# Allegro board BRD-05058-01_B04.brd (continued)
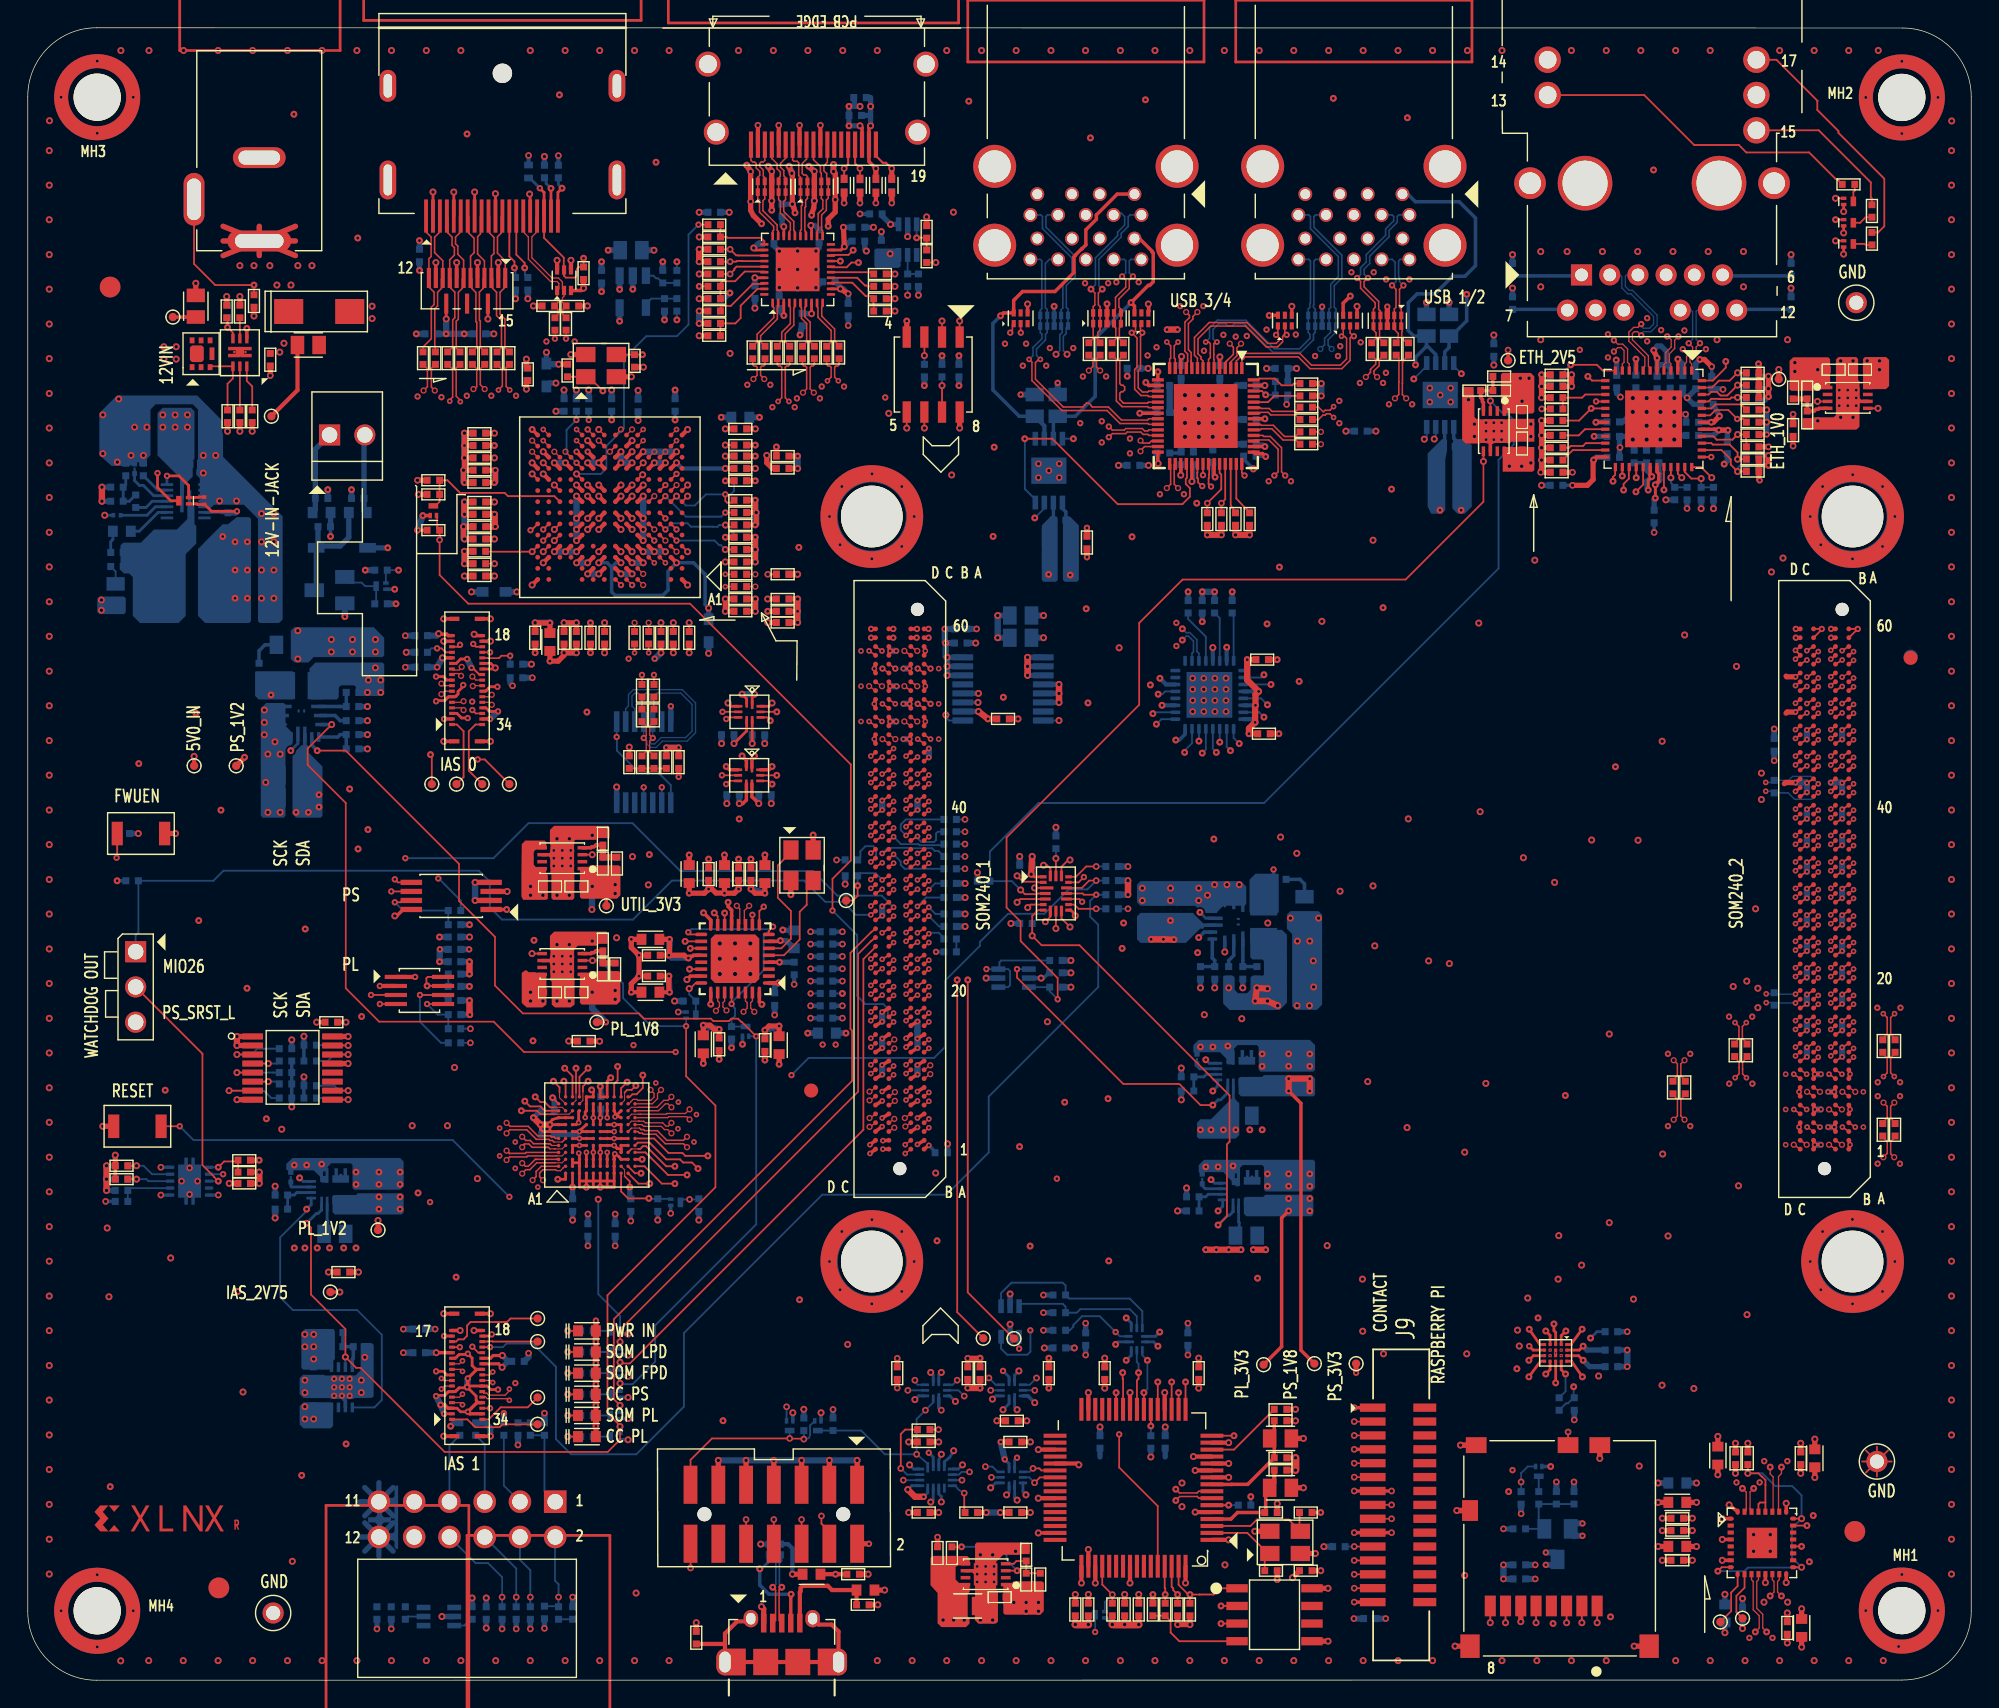
[diagram p0: board, top side]
## Nets (continued)
ISP_I2C_SDA: R62.2 U18.4 U34.D12
ISP_RESET_B: R207.2 U19.15 U34.L1
JTAG_TCK_C2M: J3.6 JA1.A25 R66.2 R264.1
JTAG_TDI_C2M: J3.10 JA1.A24 U22.14
JTAG_TDO_M2C: J3.8 JA1.A23 U25.4
JTAG_TMS_C2M: J3.4 JA1.A22 U25.5
JTAG_VCCO_ON: R241.1 U22.8 U24.21
LS_OE_B: Q12.3 R233.2 U22.1 U25.2
MIO26: J1.1 JA1.D28 R45.2
MIO27: JA1.D29 U28.8
MIO28: JA1.D30 U30.9
MIO29: JA1.C30 U30.8
MIO30: JA1.C31 U28.9
MIO31: JA1.C32 R263.1 TP37.1(TP)
MIO32_NC: JA1.A31
MIO33_NC: JA1.A32
MIO34_NC: JA1.B38
MIO35: JA1.B28 U13.7
MIO36: JA1.B29 U64.4
MIO37: JA1.B30 U64.5
MIO38: JA1.B32 U19.6
MIO39: JA1.B33 U38.E3
MIO40_NC: JA1.B34
MIO41_NC: JA1.A34
MIO42_NC: JA1.A35
MIO43: JA1.A36 U19.2
MIO44: JA1.D32 U19.5
MIO45: J11.13 JA1.D33 R130.2 U38.B2
MIO46: JA1.D34 R250.1
MIO46_SDIO_DAT0: R250.2 U38.D1
MIO47: JA1.C34 R251.1
MIO47_SDIO_DAT1: R251.2 U38.E1
MIO48: JA1.C35 R252.1
MIO48_SDIO_DAT2: R252.2 U38.A1
MIO49: JA1.C36 R253.1
MIO49_SDIO_DAT3: R253.2 U38.B1
MIO50: JA1.B36 R249.1
MIO50_SDIO_CMD: R249.2 U38.C1
MIO51: JA1.B37 R248.1
MIO51_SDIO_CLK: R248.2 U38.D2
MIO52: JA1.D36 U37.1
MIO53: JA1.D37 U37.31
MIO54: JA1.D38 U37.5
MIO55: JA1.C38 U37.2
MIO56: JA1.C39 U37.3
MIO57: JA1.C40 U37.4
MIO58: JA1.B40 U37.29
MIO59: JA1.B41 U37.6
MIO60: JA1.B42 U37.7
MIO61: JA1.A38 U37.9
MIO62: JA1.A39 U37.10
MIO63: JA1.A40 U37.13
MIO64: JA1.D40 U36.29
MIO65: JA1.D41 U36.28
MIO66: JA1.D42 U36.27
MIO67: JA1.C42 U36.26
MIO68: JA1.C43 U36.25
MIO69: JA1.C44 U36.37
MIO70: JA1.B44 U36.32
MIO71: JA1.B45 R111.2 R123.1 U36.33
MIO72: JA1.B46 U36.34
MIO73: JA1.A42 R110.2 R122.1 U36.35
MIO74: JA1.A43 U36.36
MIO75: JA1.A44 R109.2 R121.1 U36.38
MIO76: JA1.D44 U36.16
MIO77: JA1.D45 R103.2 U36.17
MODE0_C2M: JA1.A27 R165.1
MODE1_C2M: JA1.A28 R164.1 R288.2
MODE2_C2M: JA1.A29 R163.1
MODE3_C2M: JA1.A30 R162.1
MP5016_DVDT: C206.1 U41.10
MP5016_EN: R133.2 U41.9
MP5016_GATE: C234.1 Q5.3 U41.8
MP5016_ILIMIT: R135.1 U41.4
MP5016_MODE: C235.1 R134.1 U41.5
PC4_CON_PGND: J3.13 Q12.1 Q13.3 R234.2
PL_1V2: C24.1 C25.1 C125.1 C126.1 C127.1 C128.1 C129.1 C130.1 C131.1 C132.1 C133.1 C140.1 J7.23 J7.24 J8.23 J8.24 JA1.D1 JA1.D2 JA2.A44 JA2.B42 JA2.C44 JA2.D42 R21.1 TP19.1(TP) U5.5-6 U5.12 U34.A7 U34.A8 U34.A9 U34.B7 U34.B8 U34.B9 U34.C2 U34.C3 U34.C9 U34.D1 U34.D2 U34.D3(SMIPI_VDD_D3) U34.E1 U34.E10 U34.E11 U34.E12 U34.F1 U34.F12 U34.G1 U34.G12 U34.H1 U34.H12 U34.J1 U34.J2 U34.J3 U34.J10 U34.J11 U34.K3 U34.K9 U34.K10 U34.L3
PL_1V2_FB: R21.2 R26.1 U5.10
PL_1V8: C21.1 C22.1 C62.1 C63.1 C74.1 C134.1 C136.1 C137.1 C141.1 C189.1 C190.1 C191.1 C192.1 C193.1 C194.1 C195.1 C196.1 J7.13 J8.13 Q1.1 R24.1 R57.1 R58.1 R62.1 R63.1 R91.1 R207.1 R208.1 R257.1 R258.1 TP24.1(TP) U9.1 U17.20 U18.13 U18.16(VCC) U34.C1 U34.C8 U34.D10 U34.K2 U34.K11 U34.M3 U40.13 U40.16 U40.25 U40.32
PL_1V8_FB: C21.2 R23.1 R24.2 U9.4
PL_3V3: C18.1 C19.1 C143.1 C237.1 J9.15 JA1.B13 JA1.B14 JA2.B59 JA2.B60 JA2.D59 JA2.D60 R18.1 R59.1 R60.1 R61.1 R64.1 R65.1 R90.1 R167.1 R259.1 TP21.1(TP) U4.5-6 U4.12 U42.1
PL_3V3_FB: R18.2 R20.1 U4.10
PMOD_3V3: C238.1 C376.1 J2.11 J2.12 R166.1 U42.6(OUT)
PMOD_HDA11: C372.1 J2.1 R274.2 R276.2
PMOD_HDA12: C374.1 J2.3 R278.2
PMOD_HDA13: C377.1 J2.5 R280.2
PMOD_HDA14: C379.1 J2.7 R282.2
PMOD_HDA15: C373.1 J2.2 R275.2 R277.2
PMOD_HDA16_CC: C375.1 J2.4 R279.2
PMOD_HDA17: C378.1 J2.6 R281.2
PMOD_HDA18: C380.1 J2.8 R283.2
PMOD_PWR_EN: R167.2 U42.3
PMOD_PWR_FLT_B: R166.2 U42.5
PS_1V2: C9.1 C45.1 C48.1 C215.1 C216.1 C240.1 C283.1 C284.1 C285.1 C286.1 C289.1 C290.1 C291.1 C292.1 C295.1 C296.1 C330.1 C331.1 C332.1 C333.1 C334.1 C335.1 C336.1 L10.2 L12.2 R13.1 TP9.1(TP) U2.7-9 U27.E5 U27.E10 U27.F5 U27.F10 U27.G5 U27.G10 U27.H5 U27.H10 U43.5 U43.12 U43.15 U43.21 U43.28 U43.33 U43.43 U43.49
PS_1V2_FB: R13.2 R43.1 U2.10
PS_1V2_MODE: R12.2 R42.1 U2.13
PS_1V2_RAMP: C9.2 U2.11
PS_1V2_SW: C320.1 U2.4-6 U2.16
PS_1V8: C7.1 C8.1 C50.1 C69.1 C70.1 C81.1 C91.1 C92.1 C108.1 C114.1 C144.1 C145.1 C146.1 C147.1 C156.1 C157.1 C158.1 C159.1 C175.1 C275.1 C276.1 C277.1 C329.1 J3.2 Q22.1 R14.1 R45.1 R46.1 R47.1 R48.1 R49.1 R102.1 R103.1 R104.1 R105.1 R106.1 R107.1 R108.1 R109.1 R110.1 R111.1 R113.1 R114.1 R115.1 R125.1 R130.1 R210.1 R269.1 TP15.1(TP) U3.5-6 U3.12 U13.1 U13.10 U16.2 U17.23 U22.2(VCCB) U22.12 U22.13 U25.6(VCCB) U28.7 U28.10 U30.7 U30.10 U36.19 U36.30 U36.41 U37.8 U37.11 U37.14 U37.28 U37.30 U37.32 U38.A2 U64.6(VCCB)
PS_1V8_FB: R14.2 R16.1 U3.10
PS_3V3: C1.1 C2.1 C5.1 C15.1 C17.1 C53.1 C54.1 C55.1 C56.1 C57.1 C58.1 C59.1 C60.1 C61.1 C64.1 C109.1 C110.1 C115.1 C116.1 C176.1 C217.1 C218.1 C219.1 C220.1 C221.1 C222.1 C223.1 C225.1 C249.1 C250.1 C265.1 C269.1 C270.1 C271.1 C297.1 C298.1 C299.1 C300.1 C303.1 C304.1 C326.1 C340.1 C341.1 C343.1 C357.1 C358.1 C359.1 C360.1 C367.1 J10.14 J10.16 L11.2 Q14.2(SOURCE) R1.1 R54.1 R55.1 R56.1 R87.1 R88.1 R137.1 R138.1 R141.1 R145.1 R146.1 R168.1 R169.2 R170.1 R175.1 R177.1 R178.1 R179.1 R180.1 R181.1 R184.1 R195.1 R196.1 R205.1 R216.1 R217.1 R218.1 R236.1 R244.1 R256.2 R270.2 R273.1 TP11.1(TP) U1.7-9 U10.8 U12.8 U15.1 U15.8 U17.13 U17.16 U17.25 U17.32 U27.J5 U27.J10 U27.L14 U28.6(VCCB) U29.14(VCC) U30.6(VCCB) U31.8 U32.3 U32.8 U32.12 U32.19 U32.23 U32.28 U32.32 U32.37 U33.5 U38.A3(VSD) U43.16 U43.31 U43.37 U43.44 U43.55 U61.13 U61.15(VCC#15) U62.6(VCC) U65.6(VCCB)
PS_3V3_FB: R1.2 R2.1 U1.10
PS_3V3_MODE: R4.2 R5.1 U1.13
PS_3V3_PGOOD: R243.2 U1.14 U70.1 U70.3
PS_3V3_RAMP: C5.2 U1.11
PS_3V3_SW: C321.1 U1.4-6 U1.16
PS_ERROR_OUT_M2C: JA1.B24 TP38.1(TP)
PS_ERROR_STATUS_M2C: JA1.B25 TP39.1(TP)
PS_POR_B: JA1.C15 Q22.2(SOURCE) R269.2 U19.18 U23.6
PS_SRST_C2M_B: J1.3(P3) J3.14 JA1.C16 U23.4(Y2)
PWRGD_FPD_M2C: JA1.D24 Q7.1
PWRGD_LPD_M2C: JA1.D25 Q17.1
PWRGD_PL_M2C: JA1.D26 Q9.1
PWROFF_C2M_B: C207.1 J12.3(PLUG DET) JA1.B26 Q6.1 Q21.3 U7.3(PG)
RPI_ENABLE: J9.11 R259.2 U19.13
RPI_I2C_SCK: J9.13 R64.2 U18.10
RPI_I2C_SDA: J9.14 R59.2 U18.9
SD_RESET_B: Q15.1 R273.2 U19.20
SDIO1_CLK: J11.5 U38.D3
SDIO1_CMD: J11.3 U38.C4
SDIO1_DATA0: J11.7 U38.D4
SDIO1_DATA1: J11.8 U38.E4
SDIO1_DATA2: J11.1 U38.A4
SDIO1_DATA3: J11.2 R247.2 U38.B4
SDIO_CLK_FB_NC: U38.E2
SDIO_VCCB: C178.1 R247.1 U38.B3
SDIO_VDD: C177.1 C368.2 C369.1 J11.4 Q14.3
SI5332_SCLK_NC: U17.9
SI5332_SDA_NC: U17.10
SI5332_VCCO2_NC: U40.20
SI5332_VCCO3_NC: U40.23
SI5332_XA: U17.5 X3.3(X3)
SI5332_XB: U17.6(XB) X3.1
SOM240_1_C45_NC: JA1.C45
SOM240_1_D46_NC: JA1.D46
SOM_5V0: C323.1 C324.1 C353.1 C354.1 JA1.A59 JA1.A60 JA1.B60 JA1.C59 JA1.C60 JA1.D60 U14.14 U14.15 U14.16
SOM_DP_AUX_IN_LS: U28.4 U29.4
SOM_DP_AUX_OUT_LS: U28.5 U29.2
SOM_DP_HPD_LS: R174.1 U27.F4 U30.4
SOM_DP_OE_LS: U29.1 U29.8 U30.5
STDP4320_AVDD12_OSC: C256.1 C257.1 C258.1 L12.1 U27.L13 U27.M6
STDP4320_DVDD25_SM: C259.1 C260.1 U27.K5
STDP4320_GPIO5_HDMI_OE_B: R185.1 U27.K10
STDP4320_GPIO6_HDMI_DDC_EN: R186.1 U27.E13
STDP4320_GPIO7_HDMI_PWR_ON: R182.1 U27.F14
STDP4320_GPIO8_HDMI_PWR_FLT_B: R183.1 U27.E12
STDP4320_GPIO10_DP_PWR_EN: R197.1 U27.F12
STDP4320_GPIO11_DP_PWR_FAULT_B: R198.1 U27.F13
STDP4320_GPIO12_DP_TX1_CONFIG1: J6.13 R203.1 U27.H1
STDP4320_GPIO13_DP_TX1_CONFIG2: J6.14 R202.1 U27.G3
STDP4320_HOST_IRQ_OUT: R146.2 R154.1 U27.H2
STDP4320_RX0_LN0_N: C212.2 U27.B5
STDP4320_RX0_LN0_P: C211.2 U27.A5
STDP4320_RX0_LN1_N: C214.2 U27.C3
STDP4320_RX0_LN1_P: C213.2 U27.C4
STDP4320_SPDIF_OUT0: R151.1 U27.E2
STDP4320_SPDIF_OUT1: R145.2 R153.1 U27.F3
STDP4320_SPI_CLK: R141.2 U27.H3 U31.6
STDP4320_SPI_CS_B: U27.J3 U31.1
STDP4320_SPI_DI: U27.J1 U31.2
STDP4320_SPI_DO: U27.K2 U31.5
STDP4320_TCLK: C216.2 U27.N7 X4.3(X3)
STDP4320_UART_RX: U27.J2 U65.5
STDP4320_UART_TX: U27.H4 U65.4
STDP4320_XTAL: C215.2 U27.N8 X4.1
USB3320_D_N: U37.19 U43.46
USB3320_D_P: U37.18 U43.45
USB_ATEST: R222.1 U43.52
USB_CFG_BC_EN: R219.1 U43.40
USB_CFG_NON_REM: R220.1 U43.41
USB_D1_N: U43.2 U44.11 X6.1
USB_D1_P: U43.1 U44.12 X6.2
USB_D2_N: U43.9 U44.2 X5.1
USB_D2_P: U43.8 U44.3 X5.2
USB_D3_N: U43.18 U46.11 X8.1
USB_D3_P: U43.17 U46.12 X8.2
USB_D4_N: U43.25 U46.2 X7.2
USB_D4_P: U43.24 U46.3 X7.1
USB_HUB_CLK_IN: R270.1 R271.1 U17.14 U43.54
USB_HUB_RESET_B: R218.2 U19.17 U43.42
USB_HUB_SMCLK: R217.2 R287.2 U43.38
USB_HUB_SMDAT: R216.2 R286.2 U43.39
USB_JTAG_DM_N: J4.2 U24.7 X1.2
USB_JTAG_DM_P: J4.3 U24.8 X1.1
USB_JTAG_FLTR: C78.1 C87.1 C89.1 L4.1 R40.1 U11.5 U11.8
USB_JTAG_VBUS: C88.1 J4.1(VBUS) L4.2 X1.6(VBUS)
USB_JTAG_VCORE: C95.1 C96.1 C97.1 C98.1 U24.12 U24.37 U24.49(VREGOUT) U24.64
USB_JTAG_VPHY: C82.1 C83.1 L2.2 U24.4
USB_JTAG_VPLL: C84.1 C85.1 L3.2 U24.9
USB_PHY_MODE1: R288.1 U19.12
USB_PHY_REFCLK: U17.22 U37.26
USB_PHY_RESET_B: R210.2 U19.19 U37.27
USB_PRT_CTL1: U43.36 U45.3 U45.8
USB_PRT_CTL2: U43.35 U45.4 U45.5
USB_PRT_CTL3: U43.34 U47.3 U47.8
USB_PRT_CTL4: U43.32 U47.4 U47.5
USB_PWRD_VCCIO: C44.1 C79.1 C80.1 C86.1 C90.1 C93.1 C94.1 C99.1 C100.1 C101.1 C102.1 C105.1 C325.1 C355.1 C356.1 L2.1 L3.1 R36.1 R74.1 R75.1 R76.1 R77.1 R233.1 R234.1 R235.1 R266.1 R267.1 R268.1 U11.1 U22.3 U22.4 U23.5 U24.20 U24.31 U24.42 U24.50 U24.56 U25.7 U25.10 U26.8 U64.7 U64.10 U65.7 U65.10 U71.1 U71.6(VCCB) U71.7 U71.10
USB_RBIAS: R221.1 U43.56
USB_SSRX1_N: U43.7 U44.14 U66.1 U66.10(NC4)
USB_SSRX1_P: U43.6 U44.15 U66.2 U66.9
USB_SSRX2_N: U43.14 U44.5 U66.4 U66.7
USB_SSRX2_P: U43.13 U44.6 U66.5 U66.6
USB_SSRX3_N: U43.23 U46.14 U69.1 U69.10(NC4)
USB_SSRX3_P: U43.22 U46.15 U69.2 U69.9
USB_SSRX4_N: U43.30 U46.5 U69.4 U69.7
USB_SSRX4_P: U43.29 U46.6 U69.5 U69.6
USB_SSTX1_C_N: C280.1 U44.17 U67.2 U67.9
USB_SSTX1_C_P: C282.1 U44.18 U67.1 U67.10(NC4)
USB_SSTX1_N: C280.2 U43.4
USB_SSTX1_P: C282.2 U43.3
USB_SSTX2_C_N: C279.2 U44.8 U67.5 U67.6
USB_SSTX2_C_P: C281.2 U44.9 U67.4 U67.7
USB_SSTX2_N: C279.1 U43.11
USB_SSTX2_P: C281.1 U43.10
USB_SSTX3_C_N: C302.1 U46.17 U68.4 U68.7
USB_SSTX3_C_P: C306.1 U46.18 U68.5 U68.6
USB_SSTX3_N: C302.2 U43.20
USB_SSTX3_P: C306.2 U43.19
USB_SSTX4_C_N: C301.2 U46.8 U68.1 U68.10(NC4)
USB_SSTX4_C_P: C305.2 U46.9 U68.2 U68.9
USB_SSTX4_N: C301.1 U43.27
USB_SSTX4_P: C305.1 U43.26
USB_VBUS1: C274.1 U44.10(U_VBUS) U45.7 X6.6(VBUS)
USB_VBUS2: C272.1 U44.1 U45.6(OUT2) X5.6(VBUS)
USB_VBUS3: C294.1 U46.10(U_VBUS) U47.7 X8.6(VBUS)
USB_VBUS4: C293.1 U46.1 U47.6(OUT2) X7.6(VBUS)
UTIL_3V3: C41.1 C42.1 C49.1 C65.1 C66.1 C67.1 C68.1 C71.1 C72.1 C197.1 C198.1 C199.1 C200.1 C201.1 C202.1 DS1.2 DS2.2 DS3.2 DS4.2 DS5.2 DS6.2 R39.1 R232.1 R237.1 R260.1 TP7.1(TP) U7.1 U14.10(VS) U17.1 U17.4 U17.7 U40.1 U40.4 U40.7
WATCHDOG_CRST: C52.1 R49.2 U13.4
WATCHDOG_CWD: C51.1 R48.2 U13.2
WATCHDOG_SET0: R47.2 R51.1 U13.3
WATCHDOG_SET1: R46.2 R50.1 U13.6
WATCHDOG_WDO_B: J1.2 U13.8(WDO_B)
N911043: R102.2 U36.44
N911641: R113.2 U36.20
N911645: R114.2 U36.22
N911649: R115.2 U36.23
N911753: R126.1 U36.12
N931047: R61.2 U18.3
N931373: C73.1 R54.2 U16.7(VREF2) U16.8
N994749: C168.1 J10.12
N994757: C169.1 J10.6
N994769: C170.1 J10.1
N994773: C171.1 J10.7(TRCT3)
N998662: Q2.3 R112.1
N998666: Q3.3 R124.1
N998670: Q4.3 R127.1
N1061928: R66.1 U22.15
N1062590: J4.4 X1.3
N1063132: J4.6 J4.7 J4.8 J4.9 J4.10 J4.11 R73.1
N1063364: C88.2 J4.5 L5.2
N1063872: R75.2 U24.14
N1063914: R74.2 R78.1 U26.4
N1063918: R76.2 U24.62 U26.2
N1063922: R77.2 U24.63 U26.1
N1064088: R78.2 U24.61 U26.3
N1064220: C103.1 U24.2 X2.1
N1064316: C104.1 U24.3 X2.3(X3)
N1064420: R79.2 U24.6
N1366089: C208.2 D2.2 L9.2 Q18.3
N1371512: R80.2 U27.D6
N1371516: R81.2 U27.L2
N1371642: R84.2 U27.M9
N1371738: C239.1 Q22.3 R168.2 U27.H12
N1375606: R87.2 U31.3(WP#)
N1375610: R88.2 U31.7
N1394837: R155.1 U27.D2
N1434920: J6.19 R200.1
N1442575: R169.1 U27.E3
N1569020: R213.1 U37.24
N1569323: R209.2 U37.22
N1569805: C278.2 U37.20
N1589278: R176.1 U27.L5
N1589300: R175.2 U27.L10
N1592727: R170.2 R171.1 R172.1 R173.1
N1672169: C367.2 C368.1 Q14.1 R236.2 R272.1
N1690498: Q6.3 R157.1
N1690502: DS1.1 R157.2
N1690608: Q7.3 R158.1
N1690612: DS2.1 R158.2
N1690718: Q8.3 R159.1
N1690722: DS3.1 R159.2
N1690828: Q9.3 R160.1
N1690832: DS4.1 R160.2
N1690938: Q10.3 R161.1
N1690942: DS5.1 R161.2
N1766802: R33.1 U6.2
N1766806: C37.1 R33.2
N1766990: Q21.2(SOURCE) R265.2 U6.7
N1767106: C39.2 R30.2 R31.1 R32.2
N1767370: C319.2 R223.1
N1779575: C320.2 R224.1
N1784249: C321.2 R225.1
N1926673: R240.1 U40.8 U40.17 U40.24 U40.28 U40.29
N2162492: J8.1 TP31.1(TP)
N2162496: J8.34 TP32.1(TP)
N2164764: J8.15 TP33.1(TP)
N2164776: J8.20 TP34.1(TP)
N2168209: J7.1 TP27.1(TP)
N2168213: J7.34 TP28.1(TP)
N2168217: J7.20 TP30.1(TP)
N2168229: J7.15 TP29.1(TP)
N2198627: Q17.3 R254.1
N2198631: DS6.1 R254.2
N2390901: Q18.1 Q20.3 R260.2
N2498323: TP35.1(TP) U40.9
N2498387: TP36.1(TP) U40.10
N2549814: C344.1 R264.2
N2906910: Q15.3 R272.2
N2971691: C370.1 R274.1
N2974273: C371.1 R275.1

Pads without a net: J3 12; J5 13 14; J9 16 17 18 19 20 21 22 23 24 25 26 27 28 29 30; NOREF#3 1; NOREF#14 1; NOREF#25 1; U1 19 20; U2 19 20; U3 3-4; U4 3-4; U5 3-4; U6 1 15; U7 2 7; U8 2 7; U9 2 7; U10 2 7; U11 2 7; U12 2 7; U13 9; U14 7 13; U17 2 3 21 29; U18 11 12; U22 9; U24 28 29 30 32 33 34 36 40 41 43 44 45 46 48 53 54 55 57 58 59; U26 6 7; U27 A2 A8 A9 A10 A13 B1 B2 B10 B13 B14 C1 C11 C12 C14 D9 E1 E11 E14 F1 F2 F11 G1 G2 G4 G11 G12 G13 G14 H11 H13 H14 J4 J11 J13 J14 K1 K3 K4 K11 K12 L1 M1 N1; U29 3 5 6 13; U32 11 20 40; U36 14 18 21; U37 12 15 16 17 25; U40 2 3 5 6 18 19 21 22; U42 4; U43 53; U48 4; U61 14; X1 5; X5 3 5; X6 3 5; X7 3 5; X8 3 5

## Via types
v1: diameter 0.483, hole 0.249, TOP to BOTTOM, 235 vias
v2: diameter 0.457, hole 0.203, TOP to BOTTOM, 404 vias
v3: diameter 0.406, hole 0.18, TOP to BOTTOM, 459 vias
v4: diameter 0.508, hole 0.249, TOP to BOTTOM, 1086 vias
v5: diameter 0.457, hole 0.254, TOP to L03_SIG, 123 vias
v6: diameter 0.5, hole 0.203, TOP to BOTTOM, 514 vias
v7: diameter 0.203, hole 0.102, TOP to L02_GND, 5 vias
v8: diameter 0.457, hole 0.254, L12_SIG to BOTTOM, 2 vias
v9: diameter 0.406, hole 0.203, TOP to BOTTOM, 44 vias
v10: diameter 0.6, hole 0.305, TOP to BOTTOM, 40 vias

## Routing (per net, layer and track width the routed paths; a pad name or vN(x,y) marks a point on that pad's centre or on a via; arc(x,y) is an arc through that point)
5V0_IN: length 42.6
  TOP w0.203: v4(72.28,58.04) 72.29,58.04 72.29,58.05 72.48,57.86 U19.1
  TOP w0.305: TP5.1 v4(11.98,66.53)
  TOP w0.457: v4(5.34,85.92) v4(5.34,84.9) ; v6(87.4,31) v6(86.51,31) v6(85.62,31) v6(84.86,31) ; v4(72.02,73.66) v4(72.02,73.01) v4(72.02,72.36) ; v6(82.57,53.34) v6(81.81,53.35) v6(80.92,53.35) ; v4(72.36,59.32) v4(72.28,58.04)
  L08_PWR w0.635: v4(75.15,51.83) 74.39,51.83 74.3,51.74
  BOTTOM w0.203: U3.7 86.85,41.63 86.97,41.51 86.97,41.15 86.95,41.13 86.95,40.63 86.79,40.47 86.79,40.43 86.64,40.27 86.38,40.27 ; U5.7 21.57,33.12 21.61,33.07 21.61,32.42 C26.1 ; U4.7 87.23,32.99 87.27,32.95 87.27,32.47
  BOTTOM w0.254: U47.2 C318.1 ; U45.2 102.08,89.15 101.92,88.99 C317.1 ; C328.1 73.56,50.94 73.18,50.56 v4(73,50.56) ; U1.15 84.22,54.37 83.98,54.61 83.46,54.61 ; U2.15 19.96,67.32 19.72,67.08 19.72,66.05 ; C313.1 v6(73.54,79.63) 73.56,79.61
  BOTTOM w0.305: U37.21 v4(85.37,74.36) ; U70.5 v4(73,50.56)
  BOTTOM w0.381: R4.1 v4(84.48,49.86) ; R30.1 v4(5.34,85.92) ; R7.1 v4(68.41,58.16) ; U14.2 v4(72.02,73.01) ; C273.1 v6(84.61,78.38) ; C261.1 61.54,105.45 v4(62.15,104.84) U48.1 ; C39.1 v4(5.34,84.9) ; R209.1 v6(85.49,78.38) ; U14.3 v4(72.02,72.36) ; R12.1 v4(24.47,67.07) ; U14.1 v4(72.02,73.66) ; R28.1 v4(70.82,54.5) ; U14.12 v4(68.49,71.06)
  BOTTOM w0.457: C75.1 v4(72.36,59.32) ; R243.1 v4(75.15,51.83) ; v6(84.61,78.38) v6(85.49,78.38) ; v4(72.02,73.66) v4(72.02,73.01) v4(72.02,72.36)
  vias: v4(19.96,19.7) v4(19.96,18.81) v4(20.6,18.81) v4(36.22,57.16) v4(36.22,56.53) v4(36.22,49.54) v4(36.22,48.91) v4(37.11,56.53) v4(37.11,48.91) v6(14.04,82.36) v6(14.93,81.98) v6(14.93,79.95) v6(14.93,77.92) v6(15.82,81.98) v6(15.82,79.95) v6(15.82,77.92) v6(19.2,31.13) v6(19.33,62.5) v6(19.96,31.13) v6(20.22,62.5) v6(20.85,31.13) v6(20.98,63.77) v6(20.98,62.88) v6(21.74,31.13) v6(82.32,54.71) v6(84.48,39.64) v6(85.24,39.64) v6(86.13,39.64) v6(87.02,39.64) v6(101.73,84.25)
5V0_IN_EN: length 3.6
  BOTTOM w0.203: U6.3 9.2,84.5 8.59,83.89 R34.2
5V0_IN_FB: length 2.4
  BOTTOM w0.203: U6.4 8.96,84.9 8.51,84.45 R32.1
5V0_IN_SS: length 2.1
  BOTTOM w0.203: C40.1 8.33,86.74 9.37,85.7 U6.6
5V0_IN_VCC: length 6.1
  TOP w0.203: Q21.1 12.19,84.72 12.23,84.67 R265.1 12.75,84.67 13.24,84.18 v2(15.07,84.18)
  BOTTOM w0.203: U6.14 13.95,84.1 13.98,84.07 C38.1
  BOTTOM w0.381: v2(15.07,84.18) 14.96,84.07 C38.1
12V_FAN_GND: length 5.7
  BOTTOM w0.381: J13.2 24.22,89.62 C209.1 24.22,84.28 L9.1
12V_FAN_PWR: length 6.1
  BOTTOM w0.381: J13.1 20.71,88.65 C210.1 20.71,84.28 L8.1
12V_IN: length 8
  TOP w0.254: TP3.1 C203.1
  BOTTOM w0.203: R34.1 v4(5.55,83.89)
  BOTTOM w0.254: v4(11.5,91.12) 11.09,90.71 11.06,90.71 10.5,90.14 10.5,90.01 9.87,89.39 C31.1 ; C208.1 v6(21.81,82.37)
  BOTTOM w0.381: D2.1 v6(25.93,81.55) ; L8.2 C208.1
  vias: v4(9.73,91.12) v4(9.73,90.24) v4(9.8,96.03) v4(9.8,95.14) v4(10.62,91.12) v4(10.62,90.24) v4(10.69,96.03) v4(10.69,95.14) v4(11.5,90.24)
12V_IN_JACK: length 43.7
  TOP w0.132: 18.79,100.3 18.84,100.34
  TOP w0.305: TP1.1 19.43,92.9 C204.1
  TOP w0.381: 14.07,104.7 J12.1 ; J12.1 19.28,103.65 ; J12.1 19.28,102.59 ; J12.1 14.07,103.65 ; J12.1 14.07,102.59 ; J12.1 16.68,104.7 ; J12.1 19.28,104.7 ; J12.1 16.68,102.59 ; R133.1 v4(15.28,89.94)
  BOTTOM w0.381: 14.07,103.65 J12.1 ; J12.1 19.28,103.65 ; J12.1 19.28,102.59 ; J12.1 14.07,104.7 ; J12.1 19.28,104.7 ; J12.1 16.68,102.59 ; J12.1 16.68,104.7 ; J12.1 14.07,102.59
  vias: v4(15.28,101.87) v4(16.3,101.87) v4(17.44,101.87) v4(17.95,100.47) v4(18.15,95.64) v4(18.45,96.28) v4(18.96,100.47) v4(19.45,101.87)
AGND1: length 3.4
  BOTTOM w0.203: U6.5 9.07,85.3 8.33,86.04 8.04,86.04 7.69,86.39 Z1.2
AGND2: length 1.8
  BOTTOM w0.203: Z4.2 84.22,44.23 84.43,44.03 U3.11
AGND3: length 1.9
  BOTTOM w0.203: Z5.2 18.95,35.57 19,35.52 U5.11
AGND4: length 1.8
  BOTTOM w0.203: Z2.2 84.61,35.61 84.82,35.39 U4.11
AVDD12: length 21.5
  TOP w0.305: U27.M10 v2(39.53,88.47) ; U27.C6 v4(43.53,80.47) ; C244.1 v4(50.25,88.15) ; U27.N9 v4(40.33,89.27) ; U27.C5 v4(44.33,80.47) ; U27.M5 v4(44.33,88.47) ; U27.C10 v4(39.53,80.47) ; U27.C9 v4(40.33,80.47) ; U27.K13 v4(37.13,86.87) ; U27.M2 v4(46.73,88.47)
  TOP w0.381: C245.1 v6(50.25,82.31) ; C248.1 v6(37.62,76.14) 36.56,76.14 v4(36.55,76.15) C241.1 ; C107.1 v4(50.25,90.11) ; C242.1 v6(50.25,86.37) ; R81.1 v4(52.41,87.26) ; C338.1 v6(33.61,88.91) ; C247.1 v6(53.3,76.98) ; C246.1 v4(50.25,80.53)
  TOP w0.457: C337.1 v4(33.62,82.18)
  BOTTOM w0.254: C339.1 v6(46.63,90.76)
  BOTTOM w0.432: L10.1 v4(35.23,78.37) ; C244.1 v4(50.25,88.15) ; C113.1 v4(38.05,91.39) ; R84.1 v4(40.41,92.92)
  BOTTOM w0.457: v4(40.33,80.47) v4(39.53,80.47) ; v6(37.62,76.14) 37.61,76.15 v4(36.55,76.15) ; v4(44.33,80.47) v4(43.53,80.47) ; v4(44.33,88.47) v4(46.73,88.47)
AVDD33: length 28.9
  TOP w0.305: U27.M13 v4(37.13,88.47) ; U27.C7 v4(42.73,80.47) ; U27.C8 v4(41.13,80.47) ; U27.C13 v4(37.13,80.47) ; U27.C2 v4(46.73,80.47) ; U27.N6 v4(43.53,89.27)
  TOP w0.381: C254.1 v4(50.25,77.87) v4(50.25,76.98) C342.1 ; R80.1 v4(41.55,73.99) ; C251.1 v4(33.62,88.03) ; C255.1 v4(39.52,76.15) v4(38.63,76.15) C106.1
  TOP w0.457: C252.1 v4(33.62,79.52)
  L12_SIG w0.305: v4(43.53,89.27) 43.51,89.3 42.44,89.3 42.06,89.68 v6(42.06,90.76)
  BOTTOM w0.254: 42.06,80.15 41.74,80.47 v4(41.13,80.47) ; 42.06,80.15 42.06,78.37 42.31,78.12 45.74,78.12 46.12,78.5 46.12,79.86 v4(46.73,80.47) 47.97,80.47 48.79,79.64 48.79,77.46 v4(49.05,77.21) ; 42.06,80.15 42.38,80.47 v4(42.73,80.47) ; C253.1 v6(42.06,90.76)
  BOTTOM w0.381: L11.1 v4(49.05,77.21)
GND: length 2372.3
  TOP w0.076: 39.99,42.39 39.99,41.76 39.74,41.51 U34.D11
  TOP w0.127: 132.4,14.94 J16.1 ; J16.1 134.01,16.55 ; J16.1 134.28,15.75 ; J16.1 133.21,14.68 ; J16.1 132.14,15.75 ; J16.1 133.21,16.82 ; J16.1 132.4,16.55 ; U36.49 v10(117.62,91.34)
  TOP w0.132: JA2.C53 v3(128.98,71.54) ; JA2.D23 v3(128.17,52.51) ; JA2.D35 v3(128.17,60.13) ; JA1.C33 v3(62.37,58.84) ; JA2.B26 v3(130.71,54.42) ; JA2.A22 v3(130.7,51.28) ; JA1.A45 v3(64.91,66.46) ; JA2.A37 v3(130.7,60.81) ; JA1.D27 v3(61.55,55.05) ; JA1.C37 v3(62.37,61.38) ; JA2.A49 v3(130.7,68.43) ; JA2.C31 v3(128.16,57) ; JA2.A45 v3(131.52,66.46) ; JA2.B41 v3(130.71,63.94) ; JA2.D32 v3(128.17,58.23) ; JA1.A33 v3(64.91,58.84) ; JA2.D20 v3(128.17,50.61) ; v6(37.81,41.95) 38.24,41.51 U34.A11 ; JA1.C25 v3(62.37,53.76) ; JA1.A21 v3(64.91,51.22) ; JA2.A40 v3(130.7,62.71) ; JA2.D11 v3(128.17,44.89) ; JA2.B35 v3(130.71,60.13) ; JA2.B11 v3(130.71,44.89) ; U34.L2 43.74,36.51 v6(44.18,36.51) ; JA2.B23 v3(130.71,52.51) ; JA2.B14 v3(130.71,46.8) ; 39.99,42.39 39.99,42.76 v6(40.37,43.14) ; JA2.B47 v3(130.71,67.75) ; JA2.A53 v3(131.52,71.54) ; JA2.B43 v3(129.88,64.64) ; JA2.D29 v3(128.17,56.32) ; JA1.D43 v3(60.73,64.64) ; JA1.C29 v3(61.55,55.73) ; JA1.D35 v3(60.73,59.56) ; U27.D3 v4(45.93,81.27) ; JA2.B29 v3(130.71,56.32) ; JA1.D23 v3(60.73,51.94) ; JA2.C43 v3(128.16,64.62) ; JA1.B27 v3(64.09,55.05) ; JA2.B32 v3(130.71,58.23) ; JA2.C22 v3(128.16,51.28) ; JA1.B23 v3(63.27,51.94) ; JA1.A46 v3(64.91,67.09) ; JA2.D38 v3(128.17,62.04) ; JA2.D55 v3(127.34,72.26) ; JA2.C28 v3(128.16,55.09) ; JA2.A57 v3(131.52,74.08) ; JA1.B35 v3(63.27,59.56) ; JA2.C25 v3(128.16,53.19) ; JA2.A16 v3(130.7,47.47) ; JA2.C37 v3(128.16,60.81) ; JA2.D47 v3(128.17,67.75) ; JA2.A43 v3(130.7,64.62) ; JA2.C45 v3(128.98,66.46) ; JA1.A41 v3(64.09,63.35) ; JA1.A18 v3(64.91,49.31) ; JA2.A28 v3(130.7,55.09) ; JA2.C49 v3(128.16,68.43) ; JA1.C21 v3(62.37,51.22) ; JA1.D39 v3(61.55,62.67) ; JA1.B43 v3(63.27,64.64) ; JA1.A37 v3(64.91,61.38) ; JA2.B38 v3(130.71,62.04) ; JA1.C46 v3(62.37,67.09) ; JA2.C57 v3(128.98,74.08) ; JA2.D41 v3(128.17,63.94) ; JA2.C34 v3(128.16,58.9) ; JA1.C41 v3(61.55,63.35) ; JA1.D31 v3(60.73,57.02) ; JA2.B51 v3(129.88,69.72) ; JA2.C40 v3(128.16,62.71) ; JA1.B39 v3(64.09,62.67) ; JA1.A26 v3(64.09,53.82) ; JA2.D14 v3(128.17,46.8) ; JA2.A25 v3(130.7,53.19) ; JA2.D26 v3(128.17,54.42) ; JA1.B19 v3(63.27,49.4) ; JA2.B20 v3(130.71,50.61) ; JA2.C19 v3(128.16,49.38) ; JA2.D51 v3(127.34,69.72) ; JA2.A13 v3(130.7,45.57) ; JA2.B55 v3(129.88,72.26) ; JA2.A34 v3(130.7,58.9) ; JA1.D19 v3(60.73,49.4) ; JA2.C16 v3(128.16,47.47) ; JA2.A31 v3(130.7,57) ; JA2.A19 v3(130.7,49.38) ; JA2.C13 v3(128.16,45.57) ; JA1.B31 v3(63.27,57.02) ; JA2.B17 v3(130.71,48.7) ; JA2.D17 v3(128.17,48.7)
  TOP w0.152: v2(31.96,72.9) 32.04,72.9 32.52,72.42 J7.25
  TOP w0.203: U34.E5 v3(39.74,38.51) U34.C5 U34.C4 ; U34.E8 39.83,39.65 39.97,39.51 ; J8.19 33.3,24.79 v2(33.42,24.91) ; U34.G11 U34.G10 v3(41.24,40.51) U34.G8 ; U34.C7 v3(39.74,39.51) ; v3(39.74,39.51) 39.97,39.51 ; v3(39.74,39.51) 39.97,39.51 ; 39.97,39.51 U34.E7 U34.F7 ; U34.G7 U34.H7 v3(42.24,39.51) ; v2(29.42,20.46) 29.47,20.51 30.04,20.51 30.12,20.59 30.12,20.6 30.25,20.73 30.25,20.73 30.31,20.79 J8.6 30.8,20.79 30.86,20.84 30.86,20.84 31,20.98 31,20.98 31.08,21.06 31.61,21.06 31.65,21.1 31.65,21.11 v6(31.65,21.11) 32.3,20.46 32.3,20.18 32.35,20.12 32.35,19.99 ; U34.F8 v3(40.74,40.51) U34.F10 U34.F11 ; U34.L6 U34.K6 v3(42.24,39.01) U34.H6 U34.G6 ; J7.31 33,70.02 33.24,69.79 33.34,69.79 33.36,69.77 v2(33.88,69.77) ; v2(31.69,69.29) 31.68,69.29 31.68,69.29 31.25,69.29 30.92,69.62 J7.3 ; U34.F6 U34.E6 v3(39.74,39.01) U34.C6 ; U30.3 50.68,70.14 v4(50.44,70.37) ; U34.H2 U34.H3 v3(41.74,38.01) ; U38.C2 v7(110.07,23.57) U38.C3 ; v2(31.37,71.67) 31.37,71.57 31,71.19 31,71.01 30.86,70.88 30.86,70.88 30.8,70.82 J7.6 30.31,70.82 30.25,70.77 30.25,70.77 30.12,70.63 30.12,70.63 30.04,70.55 29.47,70.55 v2(29.42,70.5) ; v4(75.46,55.05) 75.46,55.13 75.14,55.46 U19.11 ; J8.3 30.92,19.59 31.18,19.33 v2(31.7,19.33) ; Q4.2 v4(130.81,104.22) ; U30.1 52.19,70.85 v4(52.35,71.01) ; v4(36.15,107.02) 36.15,106.91 36.19,106.87 J6.16 ; U34.K7 U34.K8 v3(42.24,40.01) U34.H8 ; J6.8 v4(32.19,107.17) ; J8.12 30.8,23.19 30.86,23.24 30.86,23.24 31,23.38 31,23.38 31.08,23.46 31.65,23.46 v2(31.7,23.51) 32.01,23.2 32.01,22.66 32.29,22.39 32.35,22.39 ; J6.11 v4(33.69,107.05) ; U34.E2 U34.E3 v3(40.24,38.01) ; U34.F2 U34.F3 v3(40.74,38.01) U34.F5 ; U30.2 51.79,70.68 v4(51.46,71.01) ; J8.2 v2(29.99,19.19) ; U34.G2 U34.G3 v3(41.24,38.01) U34.G5 U34.H5 v3(42.24,38.51) 42.44,38.31 42.45,38.31 42.48,38.29 42.75,38.25 42.75,38.07 U34.K4 U34.K5 U34.L5 ; v3(41.74,40.51) U34.H10 U34.H11 ; J8.9 30.19,21.99 29.94,22.24 v2(29.42,22.24) ; v2(33.88,20.93) 33.34,20.93 33.09,21.19 J8.28 31.73,21.19 31.7,21.15 ; Q2.2 v4(130.81,105.76) ; U34.B1 38.74,36.51 38.74,36.07 v6(38.18,36.07) ; v2(31.65,73.54) 31.19,73.54 30.87,73.22 J7.12 ; J7.9 30.19,72.02 29.94,72.28 v2(29.42,72.28) ; Q3.2 v4(130.81,102.7) ; J8.16 v2(29.99,24.79) ; J6.2 v4(29.19,107.17) ; v2(33.83,71.54) 33.3,71.54 33.18,71.42 33.18,71.41 33.04,71.28 33.04,71.28 32.98,71.22 J7.28 ; J6.5 v4(30.69,107.17)
  TOP w0.229: v2(31.7,21.73) 32.35,22.39 J8.25
  TOP w0.254: JA1.D52 v9(60.98,70.31) JA1.D51 ; U62.3 39.87,100.08 v4(40.04,100.24) ; JA1.B52 v9(63.52,70.31) ; v9(63.52,70.31) v9(63.08,70.31) ; v9(63.52,70.31) JA1.B51 ; JA1.C5 v3(61.55,40.49) ; v9(130.14,39.83) v9(129.69,39.83) ; v9(130.14,39.83) JA2.B3 ; v9(130.14,39.83) JA2.B4 ; JA1.D55 v9(60.98,72.85) JA1.D56 ; JA2.A10 v9(131.27,43.64) JA2.A9 ; U28.3 50.55,65.57 v6(50.32,65.8) ; JA2.D8 v9(127.6,42.37) JA2.D7 ; U28.2 51.77,66.25 v6(51.46,66.56) ; JA1.C57 v9(62.12,74.12) ; v9(62.12,74.12) JA1.C58 ; v9(62.12,74.12) v9(62.56,74.12) ; JA1.B15 v3(64.09,47.43) ; JA1.C53 v9(62.12,71.58) ; v9(62.12,71.58) 62.67,71.58 62.67,71.57 v9(62.59,71.57) ; v9(62.12,71.58) JA1.C54 ; JA1.D12 v3(61.55,45.53) ; J7.G2 v4(29.97,76.43) ; v6(29.74,19.83) 30.03,19.83 30.27,19.59 J8.3 ; U61.5 v4(32.4,102.09) ; JA1.B3 v3(64.09,39.81) ; JA1.C14 v3(61.55,46.2) ; U68.3 U68.8 v6(77.75,99.11) ; JA1.A5 v3(64.09,40.49) ; X6.4 v4(95.76,98.94) ; JA1.D15 v3(61.55,47.43) ; v9(128.73,41.1) JA2.C6 ; v9(128.73,41.1) JA2.C5 ; v9(128.73,41.1) v9(129.18,41.1) ; v9(130.14,42.37) JA2.B7 ; v9(130.14,42.37) v9(129.69,42.37) ; v9(130.14,42.37) JA2.B8 ; JA1.B59 v2(64.03,75.07) ; v4(59.95,111.94) 60.1,111.79 J5.17 ; JA1.A54 v9(64.66,71.58) JA1.A53 ; v6(52.35,66.56) 52.17,66.38 U28.1 ; J7.19 v4(33.33,74.82) ; v4(80.72,99.1) 80.72,98.92 80.75,98.89 80.75,98.57 80.72,98.54 X8.4 ; JA1.B6 v3(64.09,41.72) ; J8.G4 v4(33.33,17.58) ; v6(31.65,21.11) 31.7,21.15 v2(31.7,21.73) ; JA1.D48 v9(60.98,67.77) JA1.D47 ; JA2.A6 v9(131.27,41.1) JA2.A5 ; J7.G3 v4(33.33,76.43) ; JA1.C49 v9(62.12,69.04) ; v9(62.12,69.04) v9(62.56,69.04) ; v9(62.12,69.04) JA1.C50 ; JA1.B12 v3(64.09,45.53) ; U67.8 U67.3 ; U24.47 v4(72.8,10.61) ; JA1.B9 v3(64.09,43.62) ; U61.2 v4(33.9,102.09) ; JA2.A1 v9(131.27,38.56) JA2.A2 ; v9(63.52,67.77) JA1.B47 ; v9(63.52,67.77) JA1.B48 ; v9(63.52,67.77) v9(63.08,67.77) ; J8.G2 v4(29.97,26.4) ; v9(63.52,72.85) v9(63.08,72.85) ; v9(63.52,72.85) JA1.B56 ; v9(63.52,72.85) JA1.B55 ; U12.6 132,92.09 131.9,92.2 131.25,92.2 v2(131.11,92.34) ; U61.11 v4(29.4,102.09) ; U9.6 37.61,51.83 37.72,51.72 38.36,51.72 v2(38.5,51.58) ; JA1.D59 v2(60.75,75.07) ; JA1.D6 v3(61.55,41.72) ; U11.6 68.1,7.88 68.21,7.78 68.86,7.78 v2(69,7.63) ; J8.G1 v4(29.97,17.58) ; v9(128.73,43.64) v9(129.18,43.64) ; v9(128.73,43.64) JA2.C10 ; v9(128.73,43.64) JA2.C9 ; JA1.A11 v3(64.09,44.3) ; JA2.D4 v9(127.6,39.83) JA2.D3 ; JA2.D43 v3(127.34,64.64) ; U61.8 v4(30.9,102.09) ; J9.4 v1(95.56,16.63) ; J7.G4 v4(33.33,67.61) ; JA2.C1 v9(128.73,38.56) ; v9(128.73,38.56) v9(129.18,38.56) ; v9(128.73,38.56) JA2.C2 ; v1(98.25,13.63) J9.7 v1(95.56,13.63) ; J8.33 31.84,19.19 v2(31.7,19.33) 32.35,19.99 J8.31 ; J7.16 v4(29.97,74.82) ; JA1.A8 v3(64.09,42.39) ; C104.2 v6(93.14,12.08) ; R51.2 C52.2 ; X5.4 v4(91.06,98.94) ; U10.6 105.36,89.05 105.47,89.16 105.47,89.81 v2(105.61,89.95) ; JA1.D9 v3(61.55,43.62) ; J7.2 v2(29.99,69.22) ; U41.3 v6(15.78,97.35) ; JA1.C11 v3(61.55,44.3) ; X7.4 v4(72.02,99.1) ; J8.G3 v4(33.33,26.4) ; JA1.A14 v3(64.09,46.2) ; JA1.A57 v9(64.66,74.12) JA1.A58 ; JA1.C8 v3(61.55,42.39) ; JA1.C2 v3(61.6,38.86) ; U7.6 37.61,59.45 37.72,59.34 38.36,59.34 v2(38.5,59.2) ; JA1.A2 v3(64.09,38.58) ; JA1.D3 v3(61.54,39.87) ; JA1.A49 v9(64.66,69.04) JA1.A50 ; U27.P14 v6(36.33,90.07) ; J7.G1 v4(29.97,67.61) ; J7.33 v2(33.3,69.22) ; v1(95.56,10.63) J9.10 v1(98.25,10.63) ; J9.1 v1(95.56,19.63) ; JA1.C1 v3(61.6,38.24) ; JA1.C17 v3(61.55,48.11)